# Altium PCB main.PcbDoc (part 1 of 3) (continued)
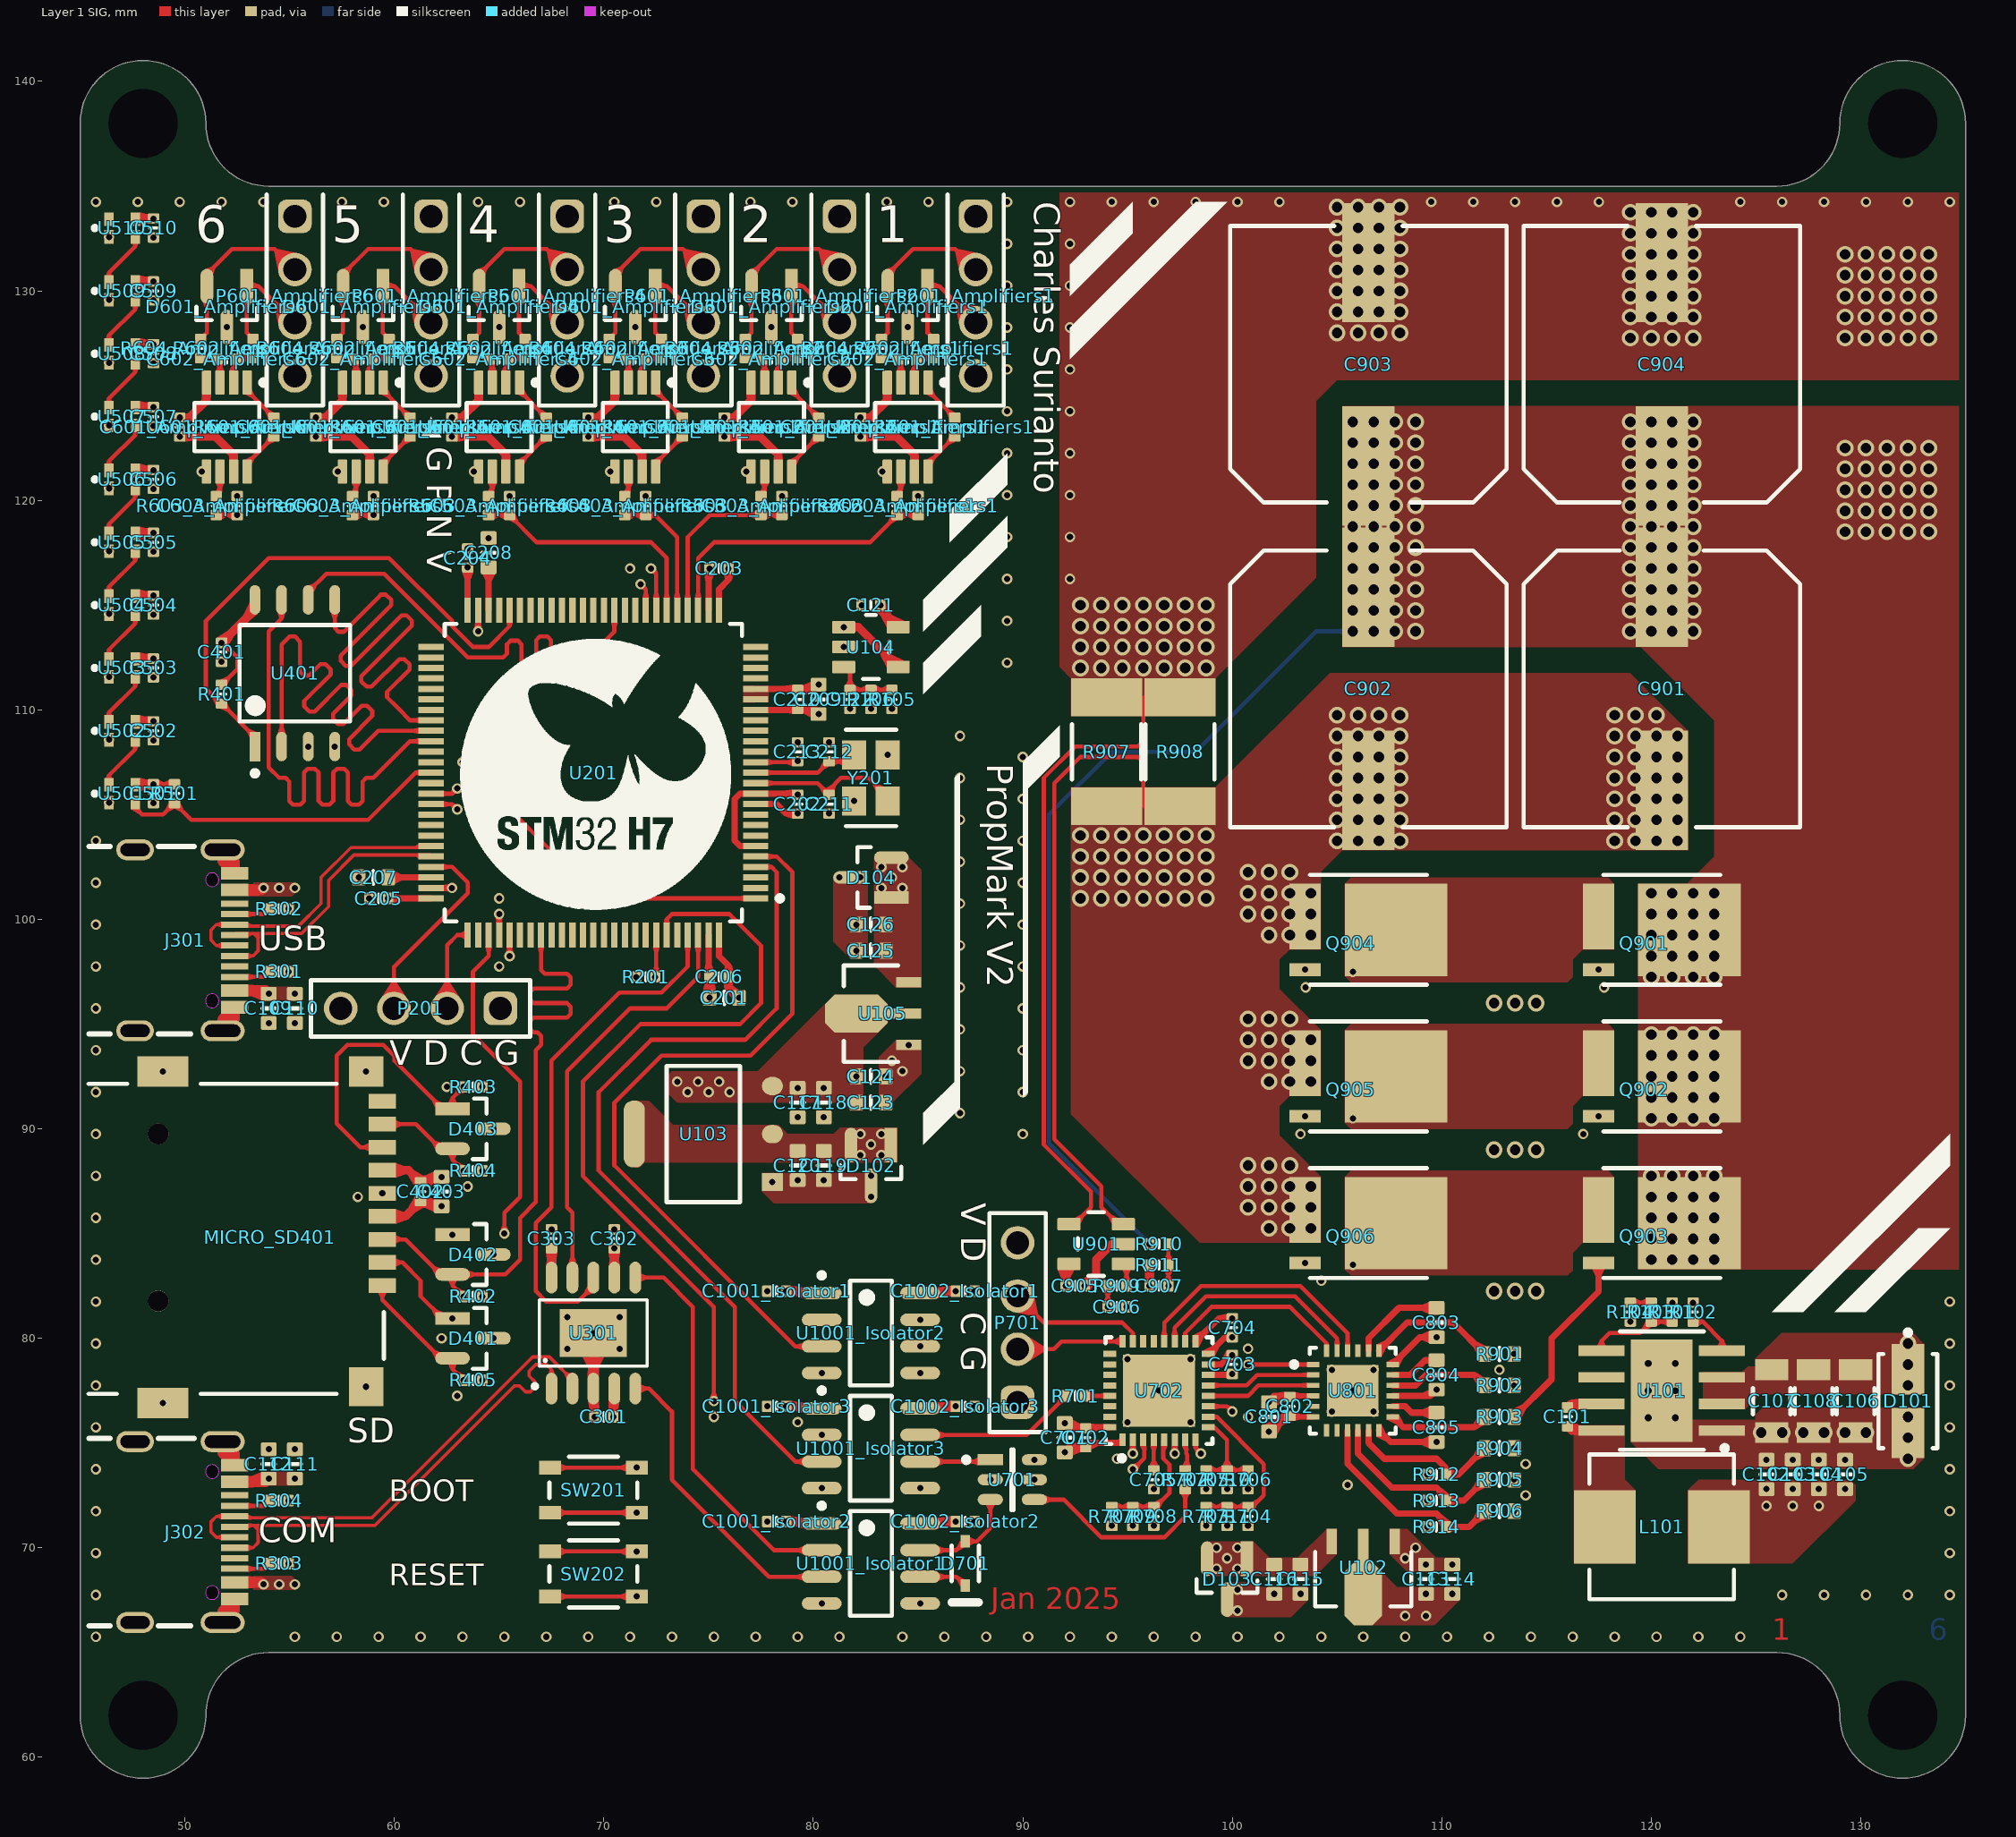
[diagram p0: Layer 1 SIG view]
## Classes and differential pairs
channel class "10 isolator": Isolator1 Isolator2 Isolator3
component class Isolator3: C1002_Isolator3 U1001_Isolator3
component class Isolator2: C1001_Isolator2 C1002_Isolator2 U1001_Isolator2
component class Isolator1: C1002_Isolator1 U1001_Isolator1
component class "H Bridge": C901 C902 C903 C904 C905 C906 C907 Q901 Q902 Q903 Q904 Q905 Q906 R901 R902 R903 R904 R905 R906 R907 R908 R909 R910 R911 R912 R913 R914 U901
component class "Gate Driver": C801 C802 C803 C804 C805 U801
channel class "6 cell amplifier": Amplifiers1 Amplifiers2 Amplifiers3 Amplifiers4 Amplifiers5 Amplifiers6
net class CELL[1..6]: AMP_OUT_Amplifiers1 AMP_OUT_Amplifiers2 AMP_OUT_Amplifiers3 AMP_OUT_Amplifiers4 AMP_OUT_Amplifiers5 AMP_OUT_Amplifiers6
component class Amplifiers6: C601_Amplifiers6 C602_Amplifiers6 C603_Amplifiers6 D601_Amplifiers6 P601_Amplifiers6 R601_Amplifiers6 R602_Amplifiers6 R603_Amplifiers6 R604_Amplifiers6 U601_Amplifiers6
component class Amplifiers5: C601_Amplifiers5 C602_Amplifiers5 C603_Amplifiers5 D601_Amplifiers5 P601_Amplifiers5 R601_Amplifiers5 R602_Amplifiers5 R603_Amplifiers5 R604_Amplifiers5 U601_Amplifiers5
component class Amplifiers4: C601_Amplifiers4 C602_Amplifiers4 C603_Amplifiers4 D601_Amplifiers4 P601_Amplifiers4 R601_Amplifiers4 R602_Amplifiers4 R603_Amplifiers4 R604_Amplifiers4 U601_Amplifiers4
component class Amplifiers3: C601_Amplifiers3 C602_Amplifiers3 C603_Amplifiers3 D601_Amplifiers3 P601_Amplifiers3 R601_Amplifiers3 R602_Amplifiers3 R603_Amplifiers3 R604_Amplifiers3 U601_Amplifiers3
component class Amplifiers2: C601_Amplifiers2 C602_Amplifiers2 C603_Amplifiers2 D601_Amplifiers2 P601_Amplifiers2 R601_Amplifiers2 R602_Amplifiers2 R603_Amplifiers2 R604_Amplifiers2 U601_Amplifiers2
component class Amplifiers1: C601_Amplifiers1 C602_Amplifiers1 C603_Amplifiers1 D601_Amplifiers1 P601_Amplifiers1 R601_Amplifiers1 R602_Amplifiers1 R603_Amplifiers1 R604_Amplifiers1 U601_Amplifiers1
component class LED: C501 C502 C503 C504 C505 C506 C507 C508 C509 C510 R501 U501 U502 U503 U504 U505 U506 U507 U508 U509 U510
net class QSPI_IO[0..3]: QSPI_IO0 QSPI_IO1 QSPI_IO2 QSPI_IO3
net class SD_DAT[0..3]: SD_DAT0 SD_DAT1 SD_DAT2 SD_DAT3
component class Memory: C401 C402 C403 D401 D402 D403 MICRO_SD401 R401 R402 R403 R404 R405 U401
component class Ports: C301 C302 C303 J301 J302 R301 R302 R303 R304 U301
component class Power: C101 C102 C103 C104 C105 C106 C107 C108 C109 C110 C111 C112 C113 C114 C115 C116 C117 C118 C119 C120 C121 C122 C123 C124 C125 C126 D101 D102 D103 D104 L101 R101 R102 R103 R104 R105 R106 U101 U102 U103 U104 U105
component class MCU: C201 C202 C203 C204 C205 C206 C207 C208 C209 C210 C211 C212 C213 P201 R201 SW201 SW202 U201 Y201
component class ESC: C701 C702 C703 C704 C705 D701 P701 R701 R702 R703 R704 R705 R706 R707 R708 R709 R710 R711 U701 U702
differential pair COM_D: +COM_D_P -COM_D_N
differential pair USB_D: +USB_D_P -USB_D_N

## Components (designator, comment, footprint, x,y, rotation, side; value= is the part's Value field where it differs from the comment)
C101 "Capacitor 2.2nF +/-20% 50V 0402" CAPC0402(1005)33_L 116,76.25 r270 top value=2.2nF
C102 "Capacitor 10µF +/-20% 10V 0603" CAPC0603(1608)100_L 125.5,73.5 r90 top value=10µF
C103 "Capacitor 10µF +/-20% 10V 0603" CAPC0603(1608)100_L 126.75,73.5 r90 top value=10µF
C104 "Capacitor 10µF +/-20% 10V 0603" CAPC0603(1608)100_L 128,73.5 r90 top value=10µF
C105 "Capacitor 10µF +/-20% 10V 0603" CAPC0603(1608)100_L 129.25,73.5 r90 top value=10µF
C106 "12061Z475KAT2A" FP-1206-L_3_2_0_2-W_1_6_0-MFG 129.75,77 r270 top
C107 "12061Z475KAT2A" FP-1206-L_3_2_0_2-W_1_6_0-MFG 125.75,77 r270 top
C108 "12061Z475KAT2A" FP-1206-L_3_2_0_2-W_1_6_0-MFG 127.75,77 r270 top
C109 "Capacitor 10µF +/-20% 10V 0603" CAPC0603(1608)100_L 54,95.75 r270 top value=10µF
C110 "Capacitor 10µF +/-20% 10V 0603" CAPC0603(1608)100_L 55.25,95.75 r270 top value=10µF
C111 "Capacitor 10µF +/-20% 10V 0603" CAPC0603(1608)100_L 55.25,74 r90 top value=10µF
C112 "Capacitor 10µF +/-20% 10V 0603" CAPC0603(1608)100_L 54,74 r90 top value=10µF
C113 "Capacitor 10µF +/-20% 10V 0603" CAPC0603(1608)100_L 109.25,68.5 r90 top value=10µF
C114 "Capacitor 10µF +/-20% 10V 0603" CAPC0603(1608)100_L 110.5,68.5 r90 top value=10µF
C115 "Capacitor 10µF +/-20% 10V 0603" CAPC0603(1608)100_L 103.25,68.5 r270 top value=10µF
C116 "Capacitor 10µF +/-20% 10V 0603" CAPC0603(1608)100_L 102,68.5 r270 top value=10µF
C117 "Capacitor 10µF +/-20% 10V 0603" CAPC0603(1608)100_L 79.25,91.25 r270 top value=10µF
C118 "Capacitor 10µF +/-20% 10V 0603" CAPC0603(1608)100_L 80.5,91.25 r270 top value=10µF
C119 "Capacitor 10µF +/-20% 10V 0603" CAPC0603(1608)100_L 80.5,88.25 r270 top value=10µF
C120 "Capacitor 10µF +/-20% 10V 0603" CAPC0603(1608)100_L 79.25,88.25 r270 top value=10µF
C121 "Capacitor 100nF +/-20% 25V 0402" CAPC0402(1005)60_L 82.75,115 r180 top value=100nF
C122 "Capacitor 100nF +/-20% 25V 0402" CAPC0402(1005)60_L 81.75,110.5 r270 top value=100nF
C123 "Capacitor 10µF +/-20% 10V 0603" CAPC0603(1608)100_L 82.75,91.25 r0 top value=10µF
C124 "Capacitor 10µF +/-20% 10V 0603" CAPC0603(1608)100_L 82.75,92.5 r0 top value=10µF
C125 "Capacitor 10µF +/-20% 10V 0603" CAPC0603(1608)100_L 82.75,98.5 r180 top value=10µF
C126 "Capacitor 10µF +/-20% 10V 0603" CAPC0603(1608)100_L 82.75,99.75 r180 top value=10µF
C201 "Capacitor 10µF +/-20% 10V 0603" CAPC0603(1608)100_L 75.75,96.25 r180 top value=10µF
C202 "Capacitor 100nF +/-20% 25V 0402" CAPC0402(1005)60_L 79.25,105.5 r270 top value=100nF
C203 "Capacitor 100nF +/-20% 25V 0402" CAPC0402(1005)60_L 75.5,116.75 r0 top value=100nF
C204 "Capacitor 100nF +/-20% 25V 0402" CAPC0402(1005)60_L 63.5,117.25 r90 top value=100nF
C205 "Capacitor 100nF +/-20% 25V 0402" CAPC0402(1005)60_L 59.25,101 r180 top value=100nF
C206 "Capacitor 100nF +/-20% 25V 0402" CAPC0402(1005)60_L 75.5,97.25 r180 top value=100nF
C207 "Capacitor 10µF +/-20% 10V 0603" CAPC0603(1608)100_L 59,102 r180 top value=10µF
C208 "Capacitor 10µF +/-20% 10V 0603" CAPC0603(1608)100_L 64.5,117.5 r90 top value=10µF
C209 "Capacitor 10µF +/-20% 10V 0603" CAPC0603(1608)100_L 80.25,110.5 r270 top value=10µF
C210 "Capacitor 100nF +/-20% 25V 0402" CAPC0402(1005)60_L 79.25,110.5 r270 top value=100nF
C211 "Capacitor 15pF +/-20% 50V 0402" CAPC0402(1005)60_L 80.75,105.5 r270 top value=15pF
C212 "Capacitor 15pF +/-20% 50V 0402" CAPC0402(1005)60_L 80.75,108 r90 top value=15pF
C213 "Capacitor 100nF +/-20% 25V 0402" CAPC0402(1005)60_L 79.25,108 r90 top value=100nF
C301 "Capacitor 100nF +/-20% 25V 0402" CAPC0402(1005)60_L 70,76.25 r180 top value=100nF
C302 "Capacitor 100nF +/-20% 25V 0402" CAPC0402(1005)60_L 70.5,84.75 r90 top value=100nF
C303 "Capacitor 100nF +/-20% 25V 0402" CAPC0402(1005)60_L 67.5,84.75 r90 top value=100nF
C401 "Capacitor 100nF +/-20% 25V 0402" CAPC0402(1005)60_L 51.75,112.75 r270 top value=100nF
C402 "Capacitor 100nF +/-20% 25V 0402" CAPC0402(1005)60_L 61.25,87 r90 top value=100nF
C403 "Capacitor 10µF +/-20% 10V 0603" CAPC0603(1608)100_L 62.25,87 r90 top value=10µF
C501 "Capacitor 100nF +/-20% 25V 0402" CAPC0402(1005)60_L 48.5,106 r270 top value=100nF
C502 "Capacitor 100nF +/-20% 25V 0402" CAPC0402(1005)60_L 48.5,109 r270 top value=100nF
C503 "Capacitor 100nF +/-20% 25V 0402" CAPC0402(1005)60_L 48.5,112 r270 top value=100nF
C504 "Capacitor 100nF +/-20% 25V 0402" CAPC0402(1005)60_L 48.5,115 r270 top value=100nF
C505 "Capacitor 100nF +/-20% 25V 0402" CAPC0402(1005)60_L 48.5,118 r270 top value=100nF
C506 "Capacitor 100nF +/-20% 25V 0402" CAPC0402(1005)60_L 48.5,121 r270 top value=100nF
C507 "Capacitor 100nF +/-20% 25V 0402" CAPC0402(1005)60_L 48.5,124 r270 top value=100nF
C508 "Capacitor 100nF +/-20% 25V 0402" CAPC0402(1005)60_L 48.5,127 r270 top value=100nF
C509 "Capacitor 100nF +/-20% 25V 0402" CAPC0402(1005)60_L 48.5,130 r270 top value=100nF
C510 "Capacitor 100nF +/-20% 25V 0402" CAPC0402(1005)60_L 48.5,133 r270 top value=100nF
C601_Amplifiers1 "Capacitor 100nF +/-20% 25V 0402" CAPC0402(1005)60_L 82.25,123.5 r90 top value=100nF (schematic designator C601)
C601_Amplifiers2 "Capacitor 100nF +/-20% 25V 0402" CAPC0402(1005)60_L 75.75,123.5 r90 top value=100nF (schematic designator C601)
C601_Amplifiers3 "Capacitor 100nF +/-20% 25V 0402" CAPC0402(1005)60_L 69.25,123.5 r90 top value=100nF (schematic designator C601)
C601_Amplifiers4 "Capacitor 100nF +/-20% 25V 0402" CAPC0402(1005)60_L 62.75,123.5 r90 top value=100nF (schematic designator C601)
C601_Amplifiers5 "Capacitor 100nF +/-20% 25V 0402" CAPC0402(1005)60_L 56.25,123.5 r90 top value=100nF (schematic designator C601)
C601_Amplifiers6 "Capacitor 100nF +/-20% 25V 0402" CAPC0402(1005)60_L 49.75,123.5 r90 top value=100nF (schematic designator C601)
C602_Amplifiers1 "Capacitor 100nF +/-20% 25V 0402" CAPC0402(1005)60_L 84.5,126.75 r180 top value=100nF (schematic designator C602)
C602_Amplifiers2 "Capacitor 100nF +/-20% 25V 0402" CAPC0402(1005)60_L 78,126.75 r180 top value=100nF (schematic designator C602)
C602_Amplifiers3 "Capacitor 100nF +/-20% 25V 0402" CAPC0402(1005)60_L 71.5,126.75 r180 top value=100nF (schematic designator C602)
C602_Amplifiers4 "Capacitor 100nF +/-20% 25V 0402" CAPC0402(1005)60_L 65,126.75 r180 top value=100nF (schematic designator C602)
C602_Amplifiers5 "Capacitor 100nF +/-20% 25V 0402" CAPC0402(1005)60_L 58.5,126.75 r180 top value=100nF (schematic designator C602)
C602_Amplifiers6 "Capacitor 100nF +/-20% 25V 0402" CAPC0402(1005)60_L 52,126.75 r180 top value=100nF (schematic designator C602)
C603_Amplifiers1 "Capacitor 100nF +/-20% 25V 0402" CAPC0402(1005)60_L 85,119.75 r90 top value=100nF (schematic designator C603)
C603_Amplifiers2 "Capacitor 100nF +/-20% 25V 0402" CAPC0402(1005)60_L 78.5,119.75 r90 top value=100nF (schematic designator C603)
C603_Amplifiers3 "Capacitor 100nF +/-20% 25V 0402" CAPC0402(1005)60_L 72,119.75 r90 top value=100nF (schematic designator C603)
C603_Amplifiers4 "Capacitor 100nF +/-20% 25V 0402" CAPC0402(1005)60_L 65.5,119.75 r90 top value=100nF (schematic designator C603)
C603_Amplifiers5 "Capacitor 100nF +/-20% 25V 0402" CAPC0402(1005)60_L 59,119.75 r90 top value=100nF (schematic designator C603)
C603_Amplifiers6 "Capacitor 100nF +/-20% 25V 0402" CAPC0402(1005)60_L 52.5,119.75 r90 top value=100nF (schematic designator C603)
C701 "Capacitor 10µF +/-20% 10V 0603" CAPC0603(1608)100_L 92,75.25 r90 top value=10µF
C702 "Capacitor 100nF +/-20% 25V 0402" CAPC0402(1005)60_L 93,75.25 r90 top value=100nF
C703 "Capacitor 100nF +/-20% 25V 0402" CAPC0402(1005)60_L 100,78.75 r270 top value=100nF
C704 "Capacitor 100nF +/-20% 25V 0402" CAPC0402(1005)60_L 100,80.5 r270 top value=100nF
C705 "Capacitor 100nF +/-20% 25V 0402" CAPC0402(1005)60_L 96.25,73.25 r270 top value=100nF
C801 "Capacitor 10µF +/-20% 10V 0603" CAPC0603(1608)100_L 101.75,76.25 r270 top value=10µF
C802 "Capacitor 100nF +/-20% 25V 0402" CAPC0402(1005)60_L 102.75,76.75 r270 top value=100nF
C803 "Capacitor 10µF +/-20% 10V 0603" CAPC0603(1608)100_L 109.75,80.75 r270 top value=10µF
C804 "Capacitor 10µF +/-20% 10V 0603" CAPC0603(1608)100_L 109.75,78.25 r270 top value=10µF
C805 "Capacitor 10µF +/-20% 10V 0603" CAPC0603(1608)100_L 109.75,75.75 r270 top value=10µF
C901 "EMVY101ARA101MKE0S" FP-MVYAKE0-MFG 120.5,111 r90 top
C902 "EMVY101ARA101MKE0S" FP-MVYAKE0-MFG 106.5,111 r90 top
C903 "EMVY101ARA101MKE0S" FP-MVYAKE0-MFG 106.5,126.5 r270 top
C904 "EMVY101ARA101MKE0S" FP-MVYAKE0-MFG 120.5,126.5 r270 top
C905 "Capacitor 100nF +/-20% 25V 0402" CAPC0402(1005)60_L 92.5,82.5 r0 top value=100nF
C906 "Capacitor 100nF +/-20% 25V 0402" CAPC0402(1005)60_L 94.5,81.5 r0 top value=100nF
C907 "Capacitor 100nF +/-20% 25V 0402" CAPC0402(1005)60_L 96.5,82.5 r180 top value=100nF
C1001_Isolator1 "Capacitor 100nF +/-20% 25V 0402" CAPC0402(1005)60_L 78.25,82.25 r180 top value=100nF (schematic designator C1001)
C1001_Isolator2 "Capacitor 100nF +/-20% 25V 0402" CAPC0402(1005)60_L 78.25,71.25 r180 top value=100nF (schematic designator C1001)
C1001_Isolator3 "Capacitor 100nF +/-20% 25V 0402" CAPC0402(1005)60_L 78.25,76.75 r180 top value=100nF (schematic designator C1001)
C1002_Isolator1 "Capacitor 100nF +/-20% 25V 0402" CAPC0402(1005)60_L 87.25,82.25 r0 top value=100nF (schematic designator C1002)
C1002_Isolator2 "Capacitor 100nF +/-20% 25V 0402" CAPC0402(1005)60_L 87.25,71.25 r0 top value=100nF (schematic designator C1002)
C1002_Isolator3 "Capacitor 100nF +/-20% 25V 0402" CAPC0402(1005)60_L 87.25,76.75 r0 top value=100nF (schematic designator C1002)
D101 "SMAJ51A-E3/5A" VISH-DO-214AC-2_N 132.25,77 r270 top
D102 "PESD3V3S2UT,215" FP-SOT23-IPC_A 82.75,88.25 r270 top
D103 "PESD3V3S2UT,215" FP-SOT23-IPC_A 99.75,68.5 r270 top
D104 "PESD3V3S2UT,215" FP-SOT23-IPC_A 82.75,102 r180 top
D401 "PESD3V3S2UT,215" FP-SOT23-IPC_A 63.75,80 r0 top
D402 "PESD3V3S2UT,215" FP-SOT23-IPC_A 63.75,84 r0 top
D403 "PESD3V3S2UT,215" FP-SOT23-IPC_A 63.75,90 r0 top
D601_Amplifiers1 "PESD3V3S2UT,215" FP-SOT23-IPC_A 84.5,129.25 r270 top (schematic designator D601)
D601_Amplifiers2 "PESD3V3S2UT,215" FP-SOT23-IPC_A 78,129.25 r270 top (schematic designator D601)
D601_Amplifiers3 "PESD3V3S2UT,215" FP-SOT23-IPC_A 71.5,129.25 r270 top (schematic designator D601)
D601_Amplifiers4 "PESD3V3S2UT,215" FP-SOT23-IPC_A 65,129.25 r270 top (schematic designator D601)
D601_Amplifiers5 "PESD3V3S2UT,215" FP-SOT23-IPC_A 58.5,129.25 r270 top (schematic designator D601)
D601_Amplifiers6 "PESD3V3S2UT,215" FP-SOT23-IPC_A 52,129.25 r270 top (schematic designator D601)
D701 "1N4148WS-7-F" DIOD-SOD323-2-A_V 87.25,69.25 r270 top
J301 "USB-TYPE-C-019" USB-TYPE-C-12+4P 50,99 r270 top
J302 "USB-TYPE-C-019" USB-TYPE-C-12+4P 50,70.75 r270 top
L101 "74437349680" WE-LHMI_7050 120.5,71 r0 top
MICRO_SD401 "TF-01A" TF-01A 52.25,84.75 r270 top
P201 "61300411121" 61300411121 61.25,95.75 r180 top
P601_Amplifiers1 "61300411121" 61300411121 87.75,129.75 r270 top (schematic designator P601)
P601_Amplifiers2 "61300411121" 61300411121 81.25,129.75 r270 top (schematic designator P601)
P601_Amplifiers3 "61300411121" 61300411121 74.75,129.75 r270 top (schematic designator P601)
P601_Amplifiers4 "61300411121" 61300411121 68.25,129.75 r270 top (schematic designator P601)
P601_Amplifiers5 "61300411121" 61300411121 61.75,129.75 r270 top (schematic designator P601)
P601_Amplifiers6 "61300411121" 61300411121 55.25,129.75 r270 top (schematic designator P601)
P701 "61300411121" 61300411121 89.75,80.75 r90 top
Q901 "IAUC120N06S5N017ATMA1" FP-PG-TDSON-8-MFG 120.5,99.5 r270 top
Q902 "IAUC120N06S5N017ATMA1" FP-PG-TDSON-8-MFG 120.5,92.5 r270 top
Q903 "IAUC120N06S5N017ATMA1" FP-PG-TDSON-8-MFG 120.5,85.5 r270 top
Q904 "IAUC120N06S5N017ATMA1" FP-PG-TDSON-8-MFG 106.5,99.5 r270 top
Q905 "IAUC120N06S5N017ATMA1" FP-PG-TDSON-8-MFG 106.5,92.5 r270 top
Q906 "IAUC120N06S5N017ATMA1" FP-PG-TDSON-8-MFG 106.5,85.5 r270 top
R101 "Resistor 100K +/-1 % 0402 63 mW" RESC0402(1005)_L 121,81.25 r270 top value=100k
R102 "Resistor 100K +/-1 % 0402 63 mW" RESC0402(1005)_L 122,81.25 r90 top value=100k
R103 "Resistor 10K  +/-1 % 0402 63 mW" RESC0402(1005)_L 120,81.25 r90 top value=10k
R104 "Resistor 1K2 +/-1 % 0402 63 mW" RESC0402(1005)_L 119,81.25 r270 top value=1.2k
R105 "Resistor 10K  +/-1 % 0402 63 mW" RESC0402(1005)_L 83.75,110.5 r90 top value=10k
R106 "Resistor 10K  +/-1 % 0402 63 mW" RESC0402(1005)_L 82.75,110.5 r270 top value=10k
R201 "Resistor 10K  +/-1 % 0402 63 mW" RESC0402(1005)_L 72,97.25 r180 top value=10k
R301 "Resistor 5K1  +/-1 % 0402 63 mW" RESC0402(1005)_L 54.5,97.5 r0 top value=5.1k
R302 "Resistor 5K1  +/-1 % 0402 63 mW" RESC0402(1005)_L 54.5,100.5 r0 top value=5.1k
R303 "Resistor 5K1  +/-1 % 0402 63 mW" RESC0402(1005)_L 54.5,69.25 r0 top value=5.1k
R304 "Resistor 5K1  +/-1 % 0402 63 mW" RESC0402(1005)_L 54.5,72.25 r0 top value=5.1k
R401 "Resistor 10K  +/-1 % 0402 63 mW" RESC0402(1005)_L 51.75,110.75 r270 top value=10k
R402 "Resistor 10K  +/-1 % 0402 63 mW" RESC0402(1005)_L 63.75,82 r180 top value=10k
R403 "Resistor 10K  +/-1 % 0402 63 mW" RESC0402(1005)_L 63.75,92 r180 top value=10k
R404 "Resistor 10K  +/-1 % 0402 63 mW" RESC0402(1005)_L 63.75,88 r180 top value=10k
R405 "Resistor 10K  +/-1 % 0402 63 mW" RESC0402(1005)_L 63.75,78 r180 top value=10k
R501 "Resistor 10K  +/-1 % 0402 63 mW" RESC0402(1005)_L 49.5,106 r270 top value=10k
R601_Amplifiers1 "Resistor 1K2 +/-1 % 0402 63 mW" RESC0402(1005)_L 86.75,123.5 r90 top value=1.2k (schematic designator R601)
R601_Amplifiers2 "Resistor 1K2 +/-1 % 0402 63 mW" RESC0402(1005)_L 80.25,123.5 r90 top value=1.2k (schematic designator R601)
R601_Amplifiers3 "Resistor 1K2 +/-1 % 0402 63 mW" RESC0402(1005)_L 73.75,123.5 r90 top value=1.2k (schematic designator R601)
R601_Amplifiers4 "Resistor 1K2 +/-1 % 0402 63 mW" RESC0402(1005)_L 67.25,123.5 r90 top value=1.2k (schematic designator R601)
R601_Amplifiers5 "Resistor 1K2 +/-1 % 0402 63 mW" RESC0402(1005)_L 60.75,123.5 r90 top value=1.2k (schematic designator R601)
R601_Amplifiers6 "Resistor 1K2 +/-1 % 0402 63 mW" RESC0402(1005)_L 54.25,123.5 r90 top value=1.2k (schematic designator R601)
R602_Amplifiers1 "Resistor 10K  +/-1 % 0402 63 mW" RESC0402(1005)_L 85.75,127.25 r270 top value=10k (schematic designator R602)
R602_Amplifiers2 "Resistor 10K  +/-1 % 0402 63 mW" RESC0402(1005)_L 79.25,127.25 r270 top value=10k (schematic designator R602)
R602_Amplifiers3 "Resistor 10K  +/-1 % 0402 63 mW" RESC0402(1005)_L 72.75,127.25 r270 top value=10k (schematic designator R602)
R602_Amplifiers4 "Resistor 10K  +/-1 % 0402 63 mW" RESC0402(1005)_L 66.25,127.25 r270 top value=10k (schematic designator R602)
R602_Amplifiers5 "Resistor 10K  +/-1 % 0402 63 mW" RESC0402(1005)_L 59.75,127.25 r270 top value=10k (schematic designator R602)
R602_Amplifiers6 "Resistor 10K  +/-1 % 0402 63 mW" RESC0402(1005)_L 53.25,127.25 r270 top value=10k (schematic designator R602)
R603_Amplifiers1 "Resistor 10K  +/-1 % 0402 63 mW" RESC0402(1005)_L 84,119.75 r270 top value=10k (schematic designator R603)
R603_Amplifiers2 "Resistor 10K  +/-1 % 0402 63 mW" RESC0402(1005)_L 77.5,119.75 r270 top value=10k (schematic designator R603)
R603_Amplifiers3 "Resistor 10K  +/-1 % 0402 63 mW" RESC0402(1005)_L 71,119.75 r270 top value=10k (schematic designator R603)
R603_Amplifiers4 "Resistor 10K  +/-1 % 0402 63 mW" RESC0402(1005)_L 64.5,119.75 r270 top value=10k (schematic designator R603)
R603_Amplifiers5 "Resistor 10K  +/-1 % 0402 63 mW" RESC0402(1005)_L 58,119.75 r270 top value=10k (schematic designator R603)
R603_Amplifiers6 "Resistor 10K  +/-1 % 0402 63 mW" RESC0402(1005)_L 51.5,119.75 r270 top value=10k (schematic designator R603)
R604_Amplifiers1 "Resistor 10K  +/-1 % 0402 63 mW" RESC0402(1005)_L 83.25,127.25 r270 top value=10k (schematic designator R604)
R604_Amplifiers2 "Resistor 10K  +/-1 % 0402 63 mW" RESC0402(1005)_L 76.75,127.25 r270 top value=10k (schematic designator R604)
R604_Amplifiers3 "Resistor 10K  +/-1 % 0402 63 mW" RESC0402(1005)_L 70.25,127.25 r270 top value=10k (schematic designator R604)
R604_Amplifiers4 "Resistor 10K  +/-1 % 0402 63 mW" RESC0402(1005)_L 63.75,127.25 r270 top value=10k (schematic designator R604)
R604_Amplifiers5 "Resistor 10K  +/-1 % 0402 63 mW" RESC0402(1005)_L 57.25,127.25 r270 top value=10k (schematic designator R604)
R604_Amplifiers6 "Resistor 10K  +/-1 % 0402 63 mW" RESC0402(1005)_L 50.75,127.25 r270 top value=10k (schematic designator R604)
R701 "Resistor 100R +/-1 % 0402 63 mW" RESC0402(1005)_L 92.5,77.25 r180 top value=100
R702 "Resistor 100R +/-1 % 0402 63 mW" RESC0402(1005)_L 97.75,73.25 r90 top value=100
R703 "Resistor 100K +/-1 % 0402 63 mW" RESC0402(1005)_L 98.75,71.5 r90 top value=100k
R704 "Resistor 100K +/-1 % 0402 63 mW" RESC0402(1005)_L 100.75,71.5 r270 top value=100k
R705 "Resistor 100K +/-1 % 0402 63 mW" RESC0402(1005)_L 98.75,73.25 r90 top value=100k
R706 "Resistor 100K +/-1 % 0402 63 mW" RESC0402(1005)_L 100.75,73.25 r270 top value=100k
R707 "Resistor 100K +/-1 % 0402 63 mW" RESC0402(1005)_L 94.25,71.5 r90 top value=100k
R708 "Resistor 100K +/-1 % 0402 63 mW" RESC0402(1005)_L 96.25,71.5 r270 top value=100k
R709 "Resistor 3K3 +/-1 % 0402 63 mW" RESC0402(1005)_L 95.25,71.5 r270 top value=3.3k
R710 "Resistor 3K3 +/-1 % 0402 63 mW" RESC0402(1005)_L 99.75,73.25 r270 top value=3.3k
R711 "Resistor 3K3 +/-1 % 0402 63 mW" RESC0402(1005)_L 99.75,71.5 r270 top value=3.3k
R901 "Resistor 20R +/-5 % 0603 0.1 W" RESC0603(1608)_L 112.75,79.25 r0 top value=20
R902 "Resistor 20R +/-5 % 0603 0.1 W" RESC0603(1608)_L 112.75,77.75 r0 top value=20
R903 "Resistor 20R +/-5 % 0603 0.1 W" RESC0603(1608)_L 112.75,76.25 r0 top value=20
R904 "Resistor 20R +/-5 % 0603 0.1 W" RESC0603(1608)_L 112.75,74.75 r0 top value=20
R905 "Resistor 20R +/-5 % 0603 0.1 W" RESC0603(1608)_L 112.75,73.25 r0 top value=20
R906 "Resistor 20R +/-5 % 0603 0.1 W" RESC0603(1608)_L 112.75,71.75 r0 top value=20
R907 "PSL2NTEBL500F" FP-PSL2NTEBL500F-MFG 94,108 r90 top
R908 "PSL2NTEBL500F" FP-PSL2NTEBL500F-MFG 97.5,108 r90 top
R909 "Resistor 10K  +/-1 % 0402 63 mW" RESC0402(1005)_L 94.5,82.5 r180 top value=10k
R910 "Resistor 100K +/-1 % 0402 63 mW" RESC0402(1005)_L 96.5,84.5 r180 top value=100k
R911 "Resistor 3K3 +/-1 % 0402 63 mW" RESC0402(1005)_L 96.5,83.5 r180 top value=3.3k
R912 "Resistor 10K  +/-1 % 0402 63 mW" RESC0402(1005)_L 109.75,73.5 r180 top value=10k
R913 "Resistor 10K  +/-1 % 0402 63 mW" RESC0402(1005)_L 109.75,72.25 r180 top value=10k
R914 "Resistor 10K  +/-1 % 0402 63 mW" RESC0402(1005)_L 109.75,71 r180 top value=10k
SW201 "PTS810SJM250SMTRLFS" FP-PTS810SJM250SMTRLFS-MFG 69.5,72.75 r180 top
SW202 "PTS810SJM250SMTRLFS" FP-PTS810SJM250SMTRLFS-MFG 69.5,68.75 r0 top
U101 "LM5164DDAR" FP-DDA0008E-MFG 120.5,77.5 r180 top
U102 "HT7533_1-SOT89" SOT89_L 106.25,68.5 r270 top
U103 "AMS1117-3.3" FP-AMS1117-IPC_C 74.75,89.75 r180 top
U104 "OPA333AIDBVR" FP-DBV0005A-MFG 82.75,113 r0 top
U105 "HT7533_1-SOT89" SOT89_L 82.75,95.5 r180 top
U201 "STM32H750VBT6" FP-LQFP100-1L-MFG 69.5,107 r180 top locked
U301 "CH342K" SSOP-10_L5.0-W3.9-P1.00-LS6.0-BL-EP 69.5,80.25 r0 top
U401 "W25Q32JVSSIQ" FP-SS-IPC_C 55.25,111.75 r90 top
U501 "WS2812B 1615" "WS2812B 1615" 47,106 r0 top
U502 "WS2812B 1615" "WS2812B 1615" 47,109 r0 top
U503 "WS2812B 1615" "WS2812B 1615" 47,112 r0 top
U504 "WS2812B 1615" "WS2812B 1615" 47,115 r0 top
U505 "WS2812B 1615" "WS2812B 1615" 47,118 r0 top
U506 "WS2812B 1615" "WS2812B 1615" 47,121 r0 top
U507 "WS2812B 1615" "WS2812B 1615" 47,124 r0 top
U508 "WS2812B 1615" "WS2812B 1615" 47,127 r0 top
U509 "WS2812B 1615" "WS2812B 1615" 47,130 r0 top
U510 "WS2812B 1615" "WS2812B 1615" 47,133 r0 top
U601_Amplifiers1 "INA333AIDGKR" DGK0008A_L 84.5,123.5 r270 top (schematic designator U601)
U601_Amplifiers2 "INA333AIDGKR" DGK0008A_L 78,123.5 r270 top (schematic designator U601)
U601_Amplifiers3 "INA333AIDGKR" DGK0008A_L 71.5,123.5 r270 top (schematic designator U601)
U601_Amplifiers4 "INA333AIDGKR" DGK0008A_L 65,123.5 r270 top (schematic designator U601)
U601_Amplifiers5 "INA333AIDGKR" DGK0008A_L 58.5,123.5 r270 top (schematic designator U601)
U601_Amplifiers6 "INA333AIDGKR" DGK0008A_L 52,123.5 r270 top (schematic designator U601)
U701 "SN74LVC1G3157DBVR" FP-DBV0006A-IPC_C 89.5,73.25 r0 top
U702 "STM32G431KBU3" FP-UFQFPN32-A0B8-MFG 96.5,77.5 r90 top
U801 "DRV8300DRGER" RGE0024B-MFG 105.75,77.5 r0 top
U901 "INA180A4IDBVT" FP-DBV0005A-MFG 93.5,84.5 r180 top
U1001_Isolator1 "ADUM1201ARZ-RL7" ADI-R-8_L 82.75,69.25 r0 top (schematic designator U1001)
U1001_Isolator2 "ADUM1201ARZ-RL7" ADI-R-8_L 82.75,80.25 r0 top (schematic designator U1001)
U1001_Isolator3 "ADUM1201ARZ-RL7" ADI-R-8_L 82.75,74.75 r0 top (schematic designator U1001)
Y201 "TSX-3225 25.0000MF10P-C0" FP-TSX-3225-MFG 82.75,106.75 r90 top

## Footprints (in the part's own frame and the unit in brackets; to place one, negate y for a bottom-side part, rotate by r counter-clockwise, add the part's x,y. Pads: shape width x height; smd on the part's side, far side on the other; paste and mask are expansions set on the pad)
61300411121 [mm] "Pin Header, pitch 2.54 mm, THT, Vertical, single row, 4p"
  rrect50% 1.6x1.6 hole 1.1: 1(-3.81,0)
  round 1.6 hole 1.1: 2(-1.27,0) 3(1.27,0) 4(3.81,0)
  silkscreen extent -5.23,-1.35 5.23,1.35, body extent -5.08,-1.27 5.08,1.27, height 8.57
ADI-R-8_L [mm] "SOIC, 8-Leads, Body 4.9x3.9mm, Pitch 1.27mm, IPC High Density"
  oval 1.9x0.6 smd: 1(-2.35,1.905) 2(-2.35,0.635) 3(-2.35,-0.635) 4(-2.35,-1.905) 5(2.35,-1.905) 6(2.35,-0.635) 7(2.35,0.635) 8(2.35,1.905)
  silkscreen extent -2.47,-2.5 1,2.88, body extent -2,-2.5 2,2.5, height 1.75
CAPC0402(1005)33_L [mm] "Chip Capacitor, Body 1.0x0.5mm, Height 0.33mm, IPC High Density"
  rrect25% 0.5x0.55 smd: 1(-0.45,0) 2(0.45,0)
  silkscreen extent 0,-0.2 0,0.2, body extent -0.5,-0.25 0.5,0.25, height 0.55
CAPC0402(1005)60_L [mm] "Chip Capacitor, Body 1.0x0.5mm, Height 0.6mm, IPC High Density"
  rrect25% 0.5x0.55 smd: 1(-0.45,0) 2(0.45,0)
  silkscreen extent 0,-0.2 0,0.2, body extent -0.5,-0.25 0.5,0.25, height 0.6
CAPC0603(1608)100_L [mm] "Chip Capacitor, Body 1.6x0.8mm, Height 1.0mm, IPC High Density"
  rrect25% 0.66x0.76 smd: 1(-0.7,0) 2(0.7,0)
  silkscreen extent 0,-0.3 0,0.3, body extent -0.8,-0.4 0.8,0.4, height 0.95
DGK0008A_L [mm] "TSOP, 8-Leads, Body 3.1x3.1mm, Pitch 0.65mm, IPC High Density"
  rrect22% 1.15x0.45 smd: 1(-2.125,0.975) 2(-2.125,0.325) 3(-2.125,-0.325) 4(-2.125,-0.975) 5(2.125,-0.975) 6(2.125,-0.325) 7(2.125,0.325) 8(2.125,0.975)
  silkscreen extent -2.25,-1.55 1.15,1.88, body extent -2.45,-1.5 2.45,1.5, height 0.94
DIOD-SOD323-2-A_V [mm] "SOD-323, 2-Leads, Body 1.7x1.3mm"
  rect 0.59x0.45 smd: 1(-1.055,0) 2(1.055,0)
  silkscreen extent -0.85,-0.65 1.85,0.65, body extent -0.85,-0.65 0.85,0.65, height 1.2
FP-1206-L_3_2_0_2-W_1_6_0-MFG [mm]
  rect 1x1.6 smd paste+0 mask+0: 1(-1.5,0) 2(1.5,0)
  silkscreen extent -0.63,-0.9 0.63,0.9, body extent -2.1,-1 2.1,1, height 0.25
FP-AMS1117-IPC_C [mm]
  rect 1.004x0.872 smd paste+0 mask+0: 1(-3.295,2.29)
  rrect100% 1.004x0.872 smd paste+0 mask+0: 2(-3.295,0) 3(-3.295,-2.29)
  rrect87% 1.004x3.182 smd paste+0 mask+0: 4(3.295,0)
  silkscreen extent -1.75,-3.25 1.75,3.25, body extent -3.9,-3.35 3.9,3.35, height 0.25
FP-DBV0005A-MFG [mm]
  rrect17% 1.1x0.6 smd paste+0 mask+0: 1(-1.3,0.95) 2(-1.3,0) 3(-1.3,-0.95) 4(1.3,-0.95) 5(1.3,0.95)
  silkscreen extent -0.38,-1.53 0.87,1.53, body extent -1.95,-1.78 1.95,1.78, height 0.25
FP-DBV0006A-IPC_C [mm]
  rect 1.205x0.53 smd paste+0 mask+0: 1(-1.05,0.95)
  rrect100% 1.205x0.53 smd paste+0 mask+0: 2(-1.05,0) 3(-1.05,-0.95) 4(1.05,-0.95) 5(1.05,0) 6(1.05,0.95)
  silkscreen extent -2.33,-1.45 0.05,1.45, body extent -1.75,-1.55 1.75,1.55, height 0.25
FP-DDA0008E-MFG [mm]
  rect 2.2x0.5 smd paste-1000 mask+0: 1(-2.875,1.905) 2(-2.875,0.635) 3(-2.875,-0.635) 4(-2.875,-1.905) 5(2.875,-1.905) 6(2.875,-0.635) 7(2.875,0.635) 8(2.875,1.905)
  rect 2.95x4.9 smd paste-1000 mask-1000: 9(0,0)
  silkscreen extent -3.13,-2.83 2,2.87, body extent -4.08,-2.68 4.08,2.68, height 0.25
FP-LQFP100-1L-MFG [mm]
  rect 1.2x0.3 smd paste+0 mask+0: 1(-7.75,6) 2(-7.75,5.5) 3(-7.75,5) 4(-7.75,4.5) 5(-7.75,4) 6(-7.75,3.5) 7(-7.75,3) 8(-7.75,2.5) 9(-7.75,2) 10(-7.75,1.5) 11(-7.75,1) 12(-7.75,0.5) 13(-7.75,0) 14(-7.75,-0.5) 15(-7.75,-1) 16(-7.75,-1.5) 17(-7.75,-2) 18(-7.75,-2.5) 19(-7.75,-3) 20(-7.75,-3.5) 21(-7.75,-4) 22(-7.75,-4.5) 23(-7.75,-5) 24(-7.75,-5.5) 25(-7.75,-6) 51(7.75,-6) 52(7.75,-5.5) 53(7.75,-5) 54(7.75,-4.5) 55(7.75,-4) 56(7.75,-3.5) 57(7.75,-3) 58(7.75,-2.5) 59(7.75,-2) 60(7.75,-1.5) 61(7.75,-1) 62(7.75,-0.5) 63(7.75,0) 64(7.75,0.5) 65(7.75,1) 66(7.75,1.5) 67(7.75,2) 68(7.75,2.5) 69(7.75,3) 70(7.75,3.5) 71(7.75,4) 72(7.75,4.5) 73(7.75,5) 74(7.75,5.5) 75(7.75,6)
  rect 0.3x1.2 smd paste+0 mask+0: 26(-6,-7.75) 27(-5.5,-7.75) 28(-5,-7.75) 29(-4.5,-7.75) 30(-4,-7.75) 31(-3.5,-7.75) 32(-3,-7.75) 33(-2.5,-7.75) 34(-2,-7.75) 35(-1.5,-7.75) 36(-1,-7.75) 37(-0.5,-7.75) 38(0,-7.75) 39(0.5,-7.75) 40(1,-7.75) 41(1.5,-7.75) 42(2,-7.75) 43(2.5,-7.75) 44(3,-7.75) 45(3.5,-7.75) 46(4,-7.75) 47(4.5,-7.75) 48(5,-7.75) 49(5.5,-7.75) 50(6,-7.75) 76(6,7.75) 77(5.5,7.75) 78(5,7.75) 79(4.5,7.75) 80(4,7.75) 81(3.5,7.75) 82(3,7.75) 83(2.5,7.75) 84(2,7.75) 85(1.5,7.75) 86(1,7.75) 87(0.5,7.75) 88(0,7.75) 89(-0.5,7.75) 90(-1,7.75) 91(-1.5,7.75) 92(-2,7.75) 93(-2.5,7.75) 94(-3,7.75) 95(-3.5,7.75) 96(-4,7.75) 97(-4.5,7.75) 98(-5,7.75) 99(-5.5,7.75) 100(-6,7.75)
  silkscreen extent -9.03,-7.1 7.1,7.1, body extent -8.45,-8.45 8.45,8.45, height 0.25
FP-MVYAKE0-MFG [mm]
  rect 5.7x2.5 smd paste+0 mask+0: 1(-4.85,0) 2(4.85,0)
  silkscreen extent -6.6,-6.6 6.6,6.6, body extent -7.95,-6.85 7.95,6.85, height 0.25
FP-PG-TDSON-8-MFG [mm]
  rect 3.14x1.5 smd paste-1000 mask-1000: 1-2-3(-0.635,-3.02)
  rect 0.6x1.5 smd paste-1000 mask+0: 4(1.905,-3.02)
  rect 4.41x4.9 smd paste-1000 mask-1000: 5-6-7-8(0,1.32)
  silkscreen extent -2.63,-2.79 2.63,2.79, body extent -2.86,-3.87 2.86,3.87, height 0.25
FP-PSL2NTEBL500F-MFG [mm]
  rect 1.8x3.4 smd paste+0 mask+0: 1(-2.6,0) 2(2.6,0)
  silkscreen extent -1.33,-1.65 1.33,1.65, body extent -3.6,-1.8 3.6,1.8, height 0.25
FP-PTS810SJM250SMTRLFS-MFG [mm]
  rect 1.05x0.65 smd paste+0 mask+0: 1(-2.075,1.075) 2(2.075,1.075) 3(-2.075,-1.075) 4(2.075,-1.075)
  silkscreen extent -2.1,-1.6 2.1,1.6, body extent -2.7,-1.7 2.7,1.7, height 0.25
FP-SOT23-IPC_A [mm]
  rect 1.655x0.602 smd paste+0 mask+0: 1(-0.975,0.95)
  rrect100% 1.655x0.602 smd paste+0 mask+0: 2(-0.975,-0.95) 3(0.975,0)
  silkscreen extent 0,-1.45 0.65,1.45, body extent -2.3,-1.95 2.3,1.95, height 0.25
FP-SS-IPC_C [mm]
  rect 1.405x0.518 smd paste+0 mask+0: 1(-3.5,1.905)
  rrect100% 1.405x0.518 smd paste+0 mask+0: 2(-3.5,0.635) 3(-3.5,-0.635) 4(-3.5,-1.905) 5(3.5,-1.905) 6(3.5,-0.635) 7(3.5,0.635) 8(3.5,1.905)
  silkscreen extent -4.9,-2.64 2.3,2.64, body extent -4.3,-2.74 4.3,2.74, height 0.25
FP-TSX-3225-MFG [mm]
  rect 1.4x1.15 smd paste+0 mask+0: 1(-1.1,-0.8) 2(1.1,-0.8) 3(1.1,0.8) 4(-1.1,0.8)
  silkscreen extent -2.3,-1.2 2.3,1.2, body extent -1.9,-1.48 1.9,1.48, height 0.25
FP-UFQFPN32-A0B8-MFG [mm]
  rect 0.6x0.3 smd paste+0 mask+0: 1(-2.35,1.75) 2(-2.35,1.25) 3(-2.35,0.75) 4(-2.35,0.25) 5(-2.35,-0.25) 6(-2.35,-0.75) 7(-2.35,-1.25) 8(-2.35,-1.75) 17(2.35,-1.75) 18(2.35,-1.25) 19(2.35,-0.75) 20(2.35,-0.25) 21(2.35,0.25) 22(2.35,0.75) 23(2.35,1.25) 24(2.35,1.75)
  rect 0.3x0.6 smd paste+0 mask+0: 9(-1.75,-2.35) 10(-1.25,-2.35) 11(-0.75,-2.35) 12(-0.25,-2.35) 13(0.25,-2.35) 14(0.75,-2.35) 15(1.25,-2.35) 16(1.75,-2.35) 25(1.75,2.35) 26(1.25,2.35) 27(0.75,2.35) 28(0.25,2.35) 29(-0.25,2.35) 30(-0.75,2.35) 31(-1.25,2.35) 32(-1.75,2.35)
  rect 3.45x3.45 smd paste+0 mask+0: 33(0,0)
  silkscreen extent -3.35,-2.55 2.55,2.55, body extent -2.75,-2.75 2.75,2.75, height 0.25
RESC0402(1005)_L [mm] "Chip Resistor, Body 1.0x0.5mm, IPC High Density"
  rrect25% 0.5x0.55 smd: 1(-0.45,0) 2(0.45,0)
  silkscreen extent 0,-0.2 0,0.2, body extent -0.5,-0.25 0.5,0.25, height 0.3
RESC0603(1608)_L [mm] "Chip Resistor, Body 1.6x0.8mm, IPC High Density"
  rrect25% 0.66x0.76 smd: 1(-0.7,0) 2(0.7,0)
  silkscreen extent 0,-0.3 0,0.3, body extent -0.8,-0.4 0.8,0.4, height 0.45
RGE0024B-MFG [mm]
  rect 0.6x0.25 smd paste+0 mask+0: 1(-1.9,1.25) 2(-1.9,0.75) 3(-1.9,0.25) 4(-1.9,-0.25) 5(-1.9,-0.75) 6(-1.9,-1.25) 13(1.9,-1.25) 14(1.9,-0.75) 15(1.9,-0.25) 16(1.9,0.25) 17(1.9,0.75) 18(1.9,1.25)
  rect 0.25x0.6 smd paste+0 mask+0: 7(-1.25,-1.9) 8(-0.75,-1.9) 9(-0.25,-1.9) 10(0.25,-1.9) 11(0.75,-1.9) 12(1.25,-1.9) 19(1.25,1.9) 20(0.75,1.9) 21(0.25,1.9) 22(-0.25,1.9) 23(-0.75,1.9) 24(-1.25,1.9)
  rect 2.45x2.45 smd paste-1.212 mask+0: 25(0,0)
  silkscreen extent -2.92,-2.05 2.05,2.05, body extent -2,-2 2,2, height 1
SOT89_L [mm] "SOT89, 3-Leads, Body 4.5x2.4 mm, Pitch 1.5mm, Lead Span 4.1mm, IPC High Density"
  rect 1.2x0.5 smd: 1(-1.8,1.5) 3(-1.8,-1.5)
  rect 1.6x0.5 smd: 2(-1.6,0)
  oct 3x1.8 smd: 2(0.7,0)
  silkscreen extent -1.3,-2.3 1.3,2.3, body extent -1.3,-2.3 1.29,2.3, height 1.6
SSOP-10_L5.0-W3.9-P1.00-LS6.0-BL-EP [mm]
  oval 0.56x1.515 smd paste+0 mask+0.051: 1(-2,-2.65) 2(-1,-2.65) 3(0,-2.65) 4(1,-2.65) 5(2,-2.65) 6(2,2.65) 7(1,2.65) 8(0,2.65) 9(-1,2.65) 10(-2,2.65)
  rect 3.2x2.3 smd paste+0 mask+0.051: 11(0,0)
  silkscreen extent -2.89,-2.64 2.58,1.59
TF-01A [mm]
  rect 0.7x1.3 smd: 1(2.23,7.174) 2(1.13,7.174) 3(0.03,7.174) 4(-1.07,7.174) 5(-2.17,7.174) 6(-3.27,7.174) 7(-4.37,7.174) 8(-5.47,7.174) CD1(-6.57,7.174)
  rect 1.448x1.651 smd: MP1(-7.989,6.4)
  rect 1.448x2.438 smd: MP2(-7.989,-3.3) MP3(7.836,-3.3)
  rect 1.854x1.651 smd: MP4(7.061,6.4)
  round 1 hole 1 unplated: ""(-5.004,-3.531) ""(2.972,-3.531)
  silkscreen extent -7.4,-6.85 7.4,7.25, body extent -8.05,-7.54 8.05,7.66, height 1.85
USB-TYPE-C-12+4P [mm]
  oval 1x2.1 hole 0.6 slot 1.7 at 90 deg mask+0.05: 1(-4.32,1.801) 2(4.32,1.801)
  oval 1x1.8 hole 0.6 slot 1.4 at 90 deg mask+0.05: 3(-4.32,-2.379) 4(4.32,-2.379)
  round 0 hole 0.65 unplated: 6(-2.89,1.302) 7(2.89,1.301)
  rect 0.6x1.3 smd mask+0.05: A1B12(-3.2,2.379) A4B9(-2.4,2.379) B1A12(3.2,2.379) B4A9(2.4,2.379)
  rect 0.3x1.3 smd mask+0.05: A5(-1.25,2.379) A6(-0.25,2.379) A7(0.25,2.379) A8(1.25,2.379) B5(1.75,2.379) B6(0.75,2.379) B7(-0.75,2.379) B8(-1.75,2.379)
  Keep-Out Layer board cut-out: -2.565,1.302 -2.597,1.443 -2.687,1.556 -2.818,1.619 -2.962,1.619 -3.093,1.556 -3.183,1.443 -3.215,1.302 -3.215,1.302 -3.183,1.161 -3.093,1.048 -2.962,0.985 -2.818,0.985 -2.687,1.048 -2.597,1.161 -2.565,1.302
  Keep-Out Layer board cut-out: 3.215,1.301 3.183,1.442 3.093,1.555 2.962,1.618 2.818,1.618 2.687,1.555 2.597,1.442 2.565,1.301 2.565,1.301 2.597,1.16 2.687,1.047 2.818,0.984 2.962,0.984 3.093,1.047 3.183,1.16 3.215,1.301
  silkscreen extent -4.48,-4.57 4.48,0.44, body extent -4.47,-4.95 4.47,2.95, height 3.23
VISH-DO-214AC-2_N [mm] "DO-214AC, 2-Leads, Body 4.5x2.79mm, IPC Medium Density"
  rect 2.4x1.55 smd: 1(-1.525,0) 2(1.525,0)
  silkscreen extent -3.4,-1.4 2.25,1.4, body extent -2.25,-1.4 2.25,1.39, height 2.29
WE-LHMI_7050 [mm] "SMT Power Inductor, 2-Leads, body 6.6x6.6mm"
  rect 2.95x3.5 smd: 1(-2.725,0) 2(2.725,0)
  silkscreen extent -3.45,-3.45 3.45,3.45, body extent -3.65,-3.3 3.65,3.3, height 4.8
"WS2812B 1615" [mm]
  rect 0.45x0.65 smd mask+0.1: 1(-0.625,0.425) 2(0.625,0.425) 3(-0.625,-0.425) 4(0.625,-0.425)
  silkscreen extent -1.4,-0.1 -1.2,0.1